# Altium PCB FPGA核心板.PcbDoc (part 1 of 3)
Units mil, origin at the board's own origin, x right, y up, seen from the top; angles counter-clockwise.
Board outline 3937.01 x 3937.01 mil, 4 copper layers (Top Layer, Layer 1, Layer 2, Bottom Layer), stack 23.756 mil thick; 164 components, 255 nets, 1024 pads, 373 vias.
Unrouted connection lines stored in the file: 1.
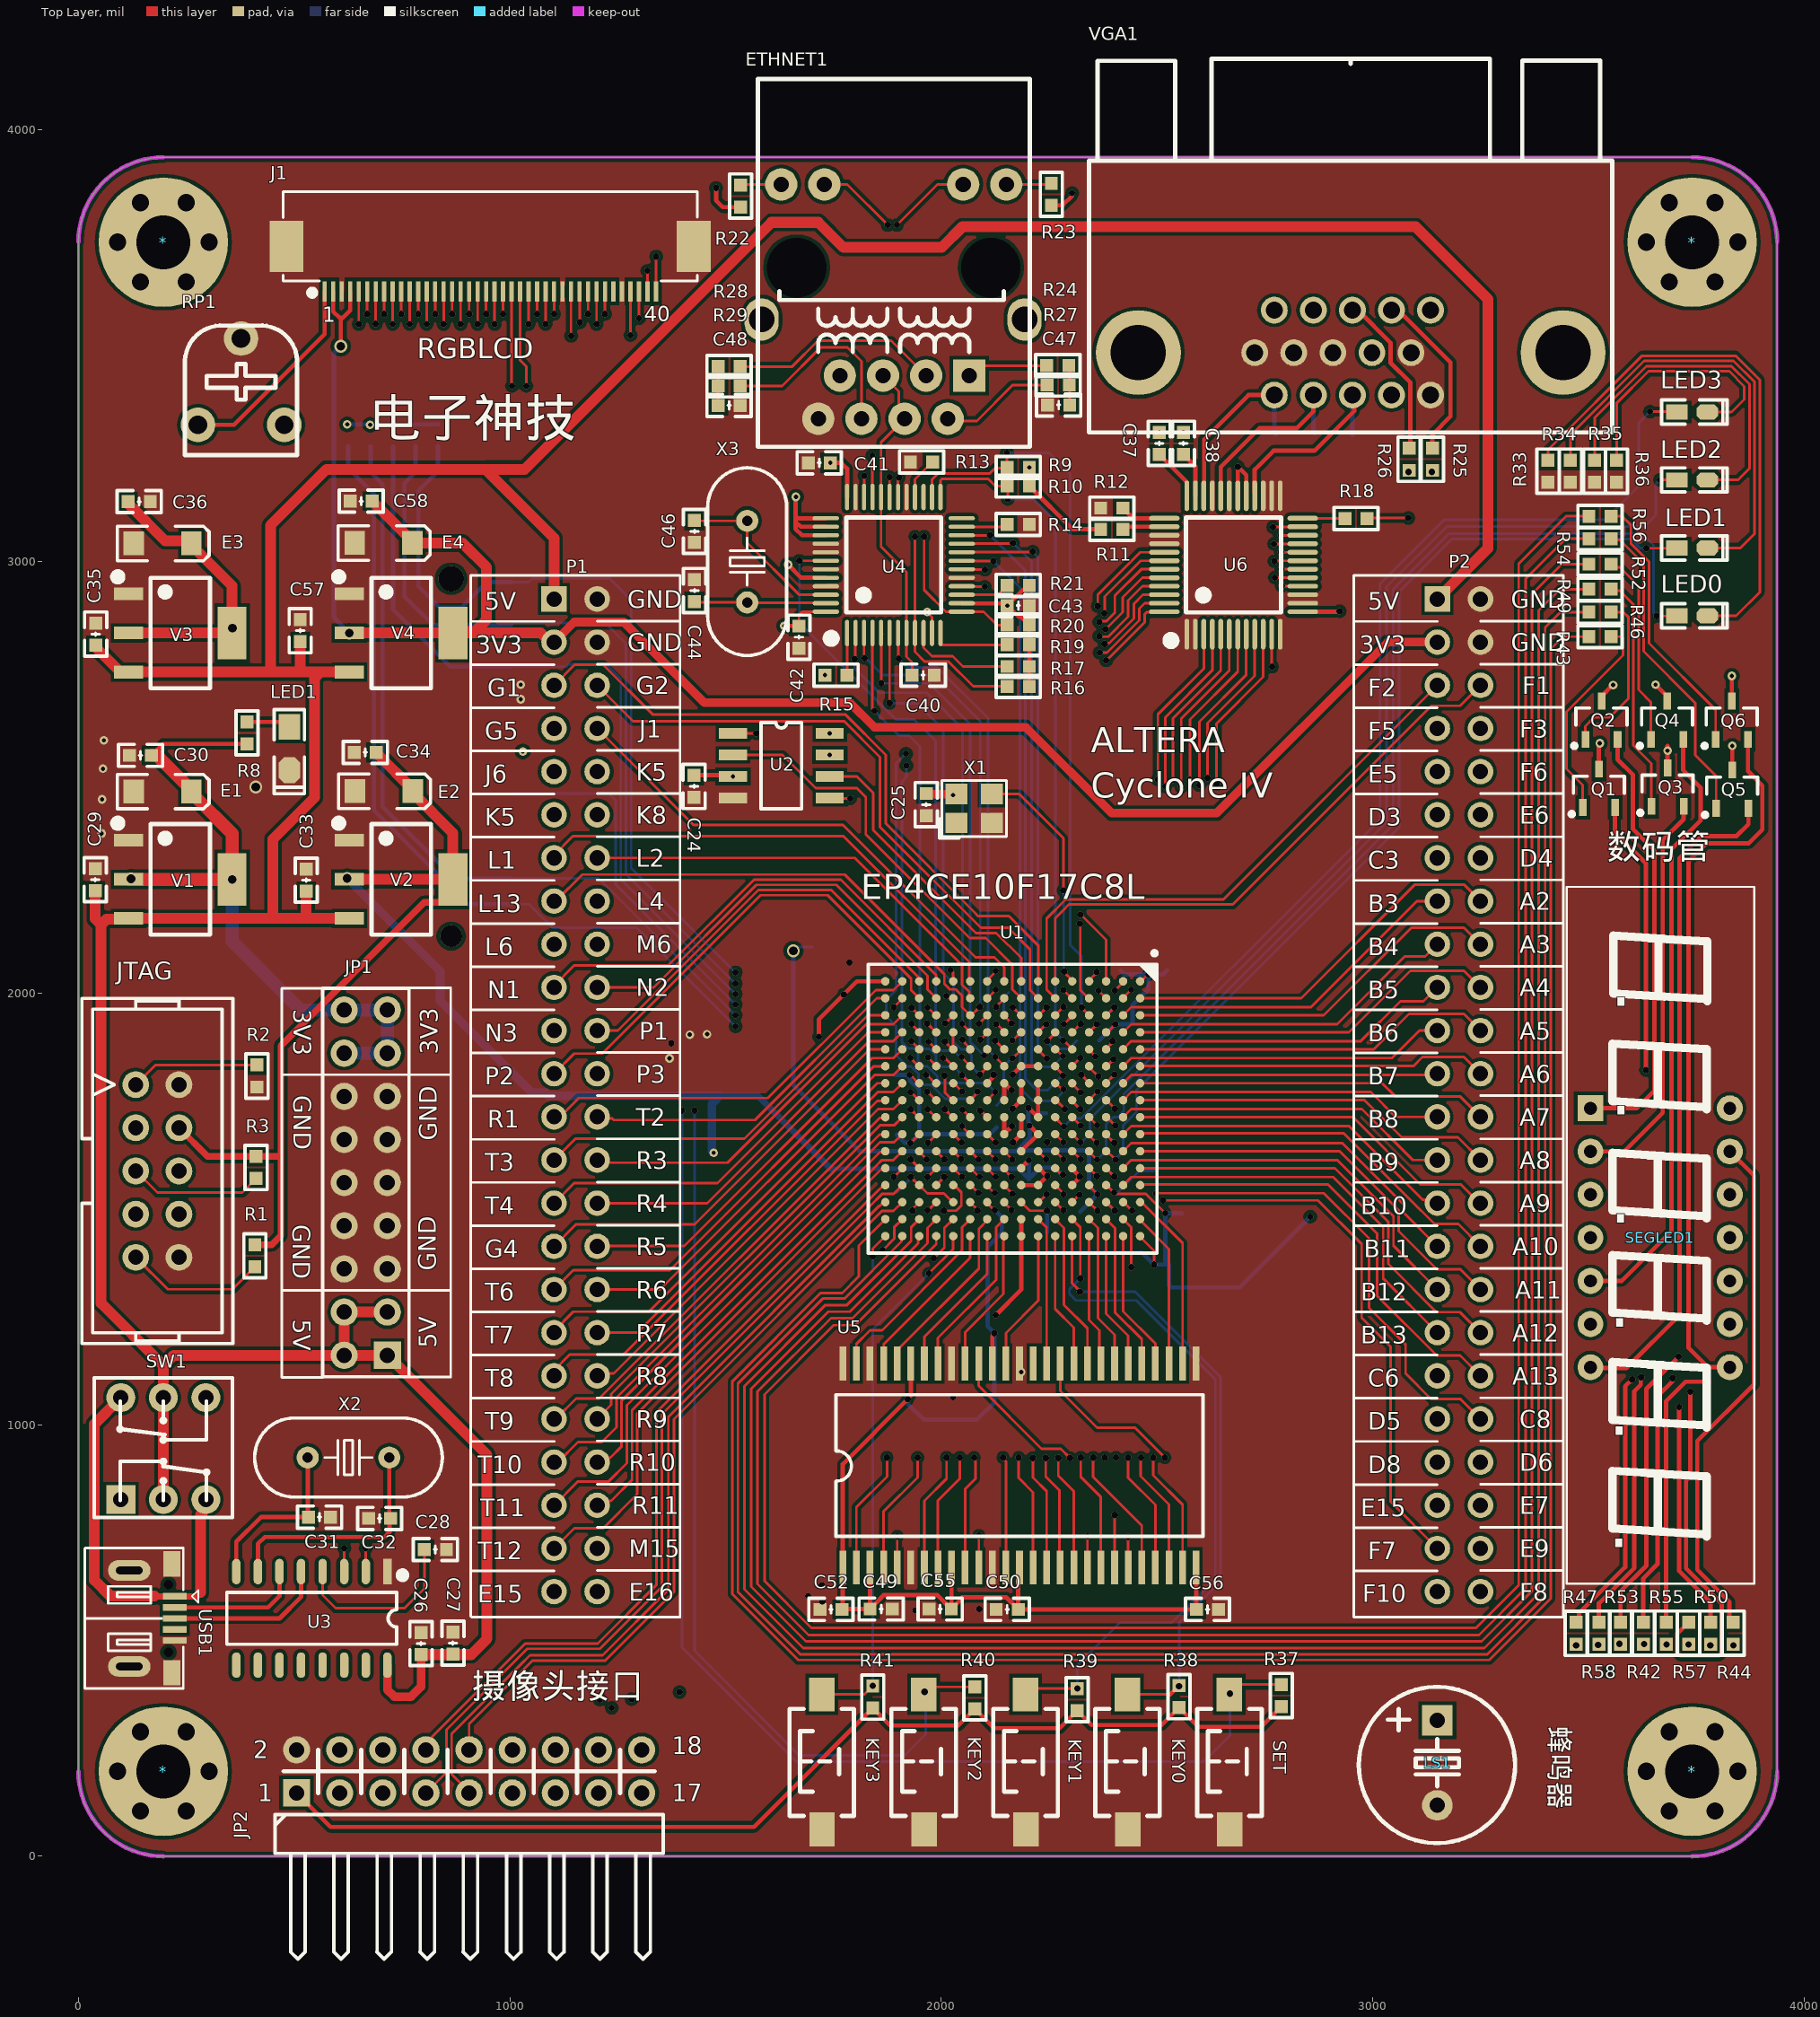
[diagram p0: Top Layer view]
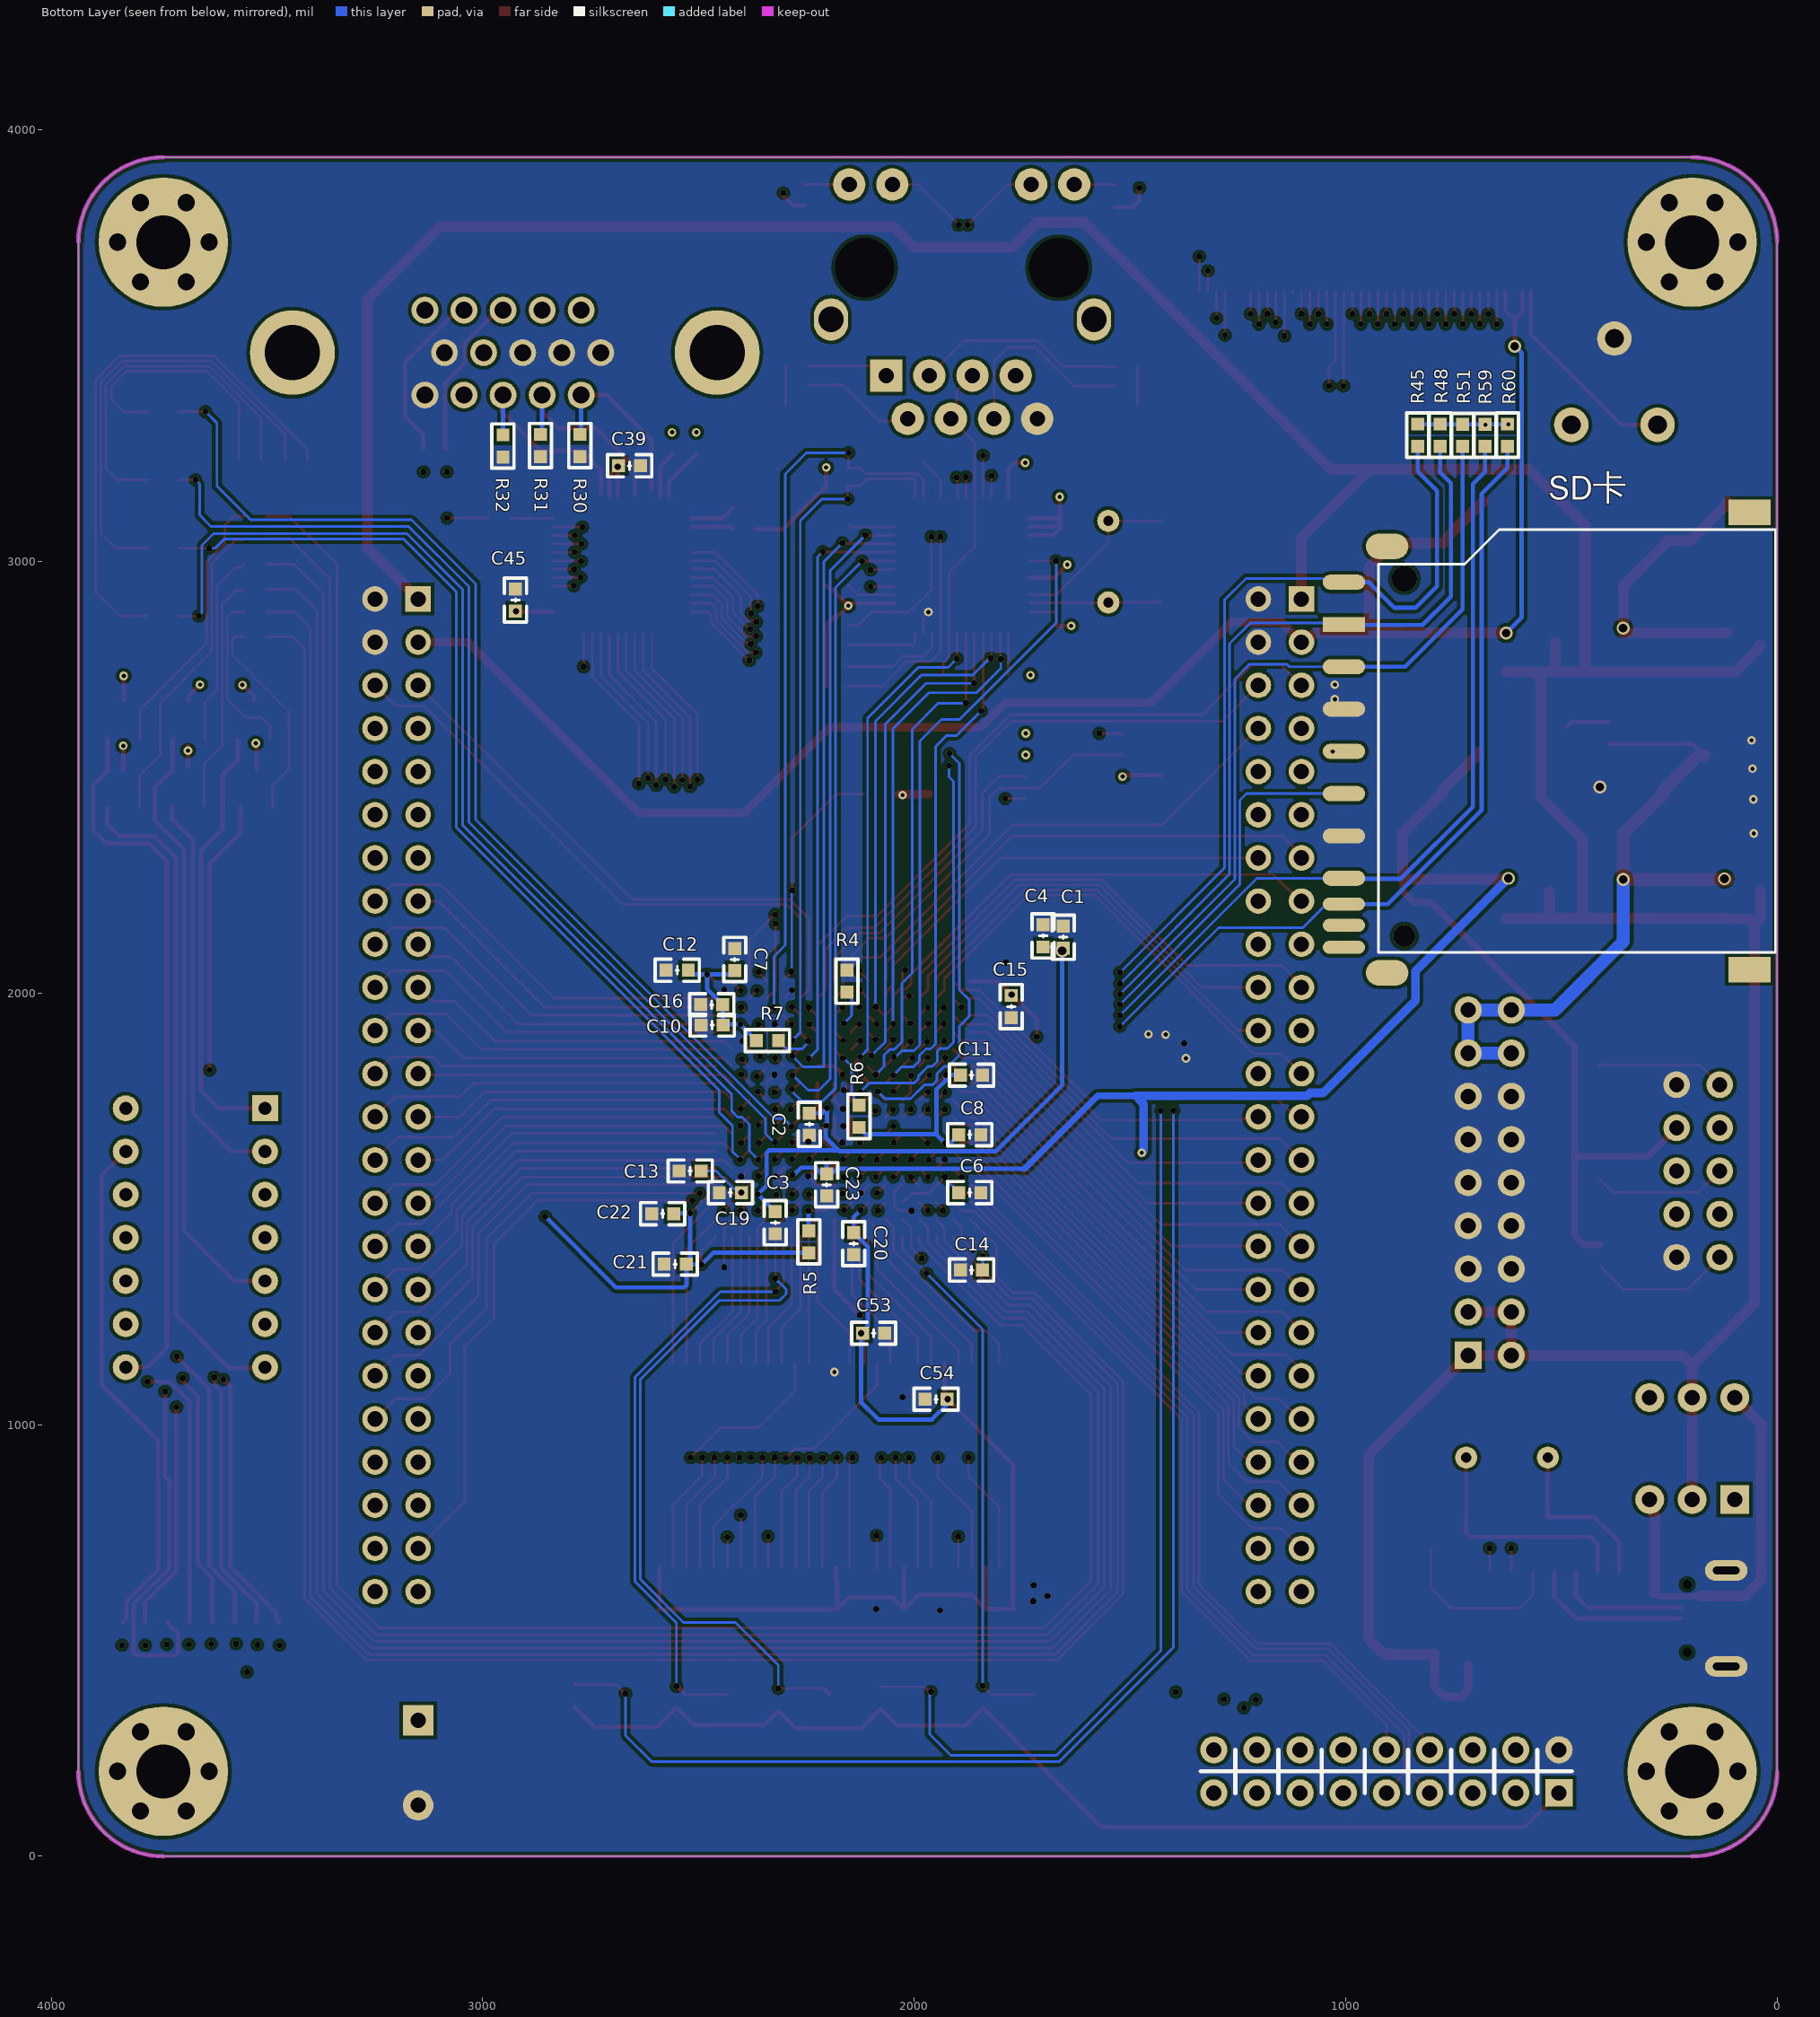
[diagram p1: Bottom Layer view, seen from below]
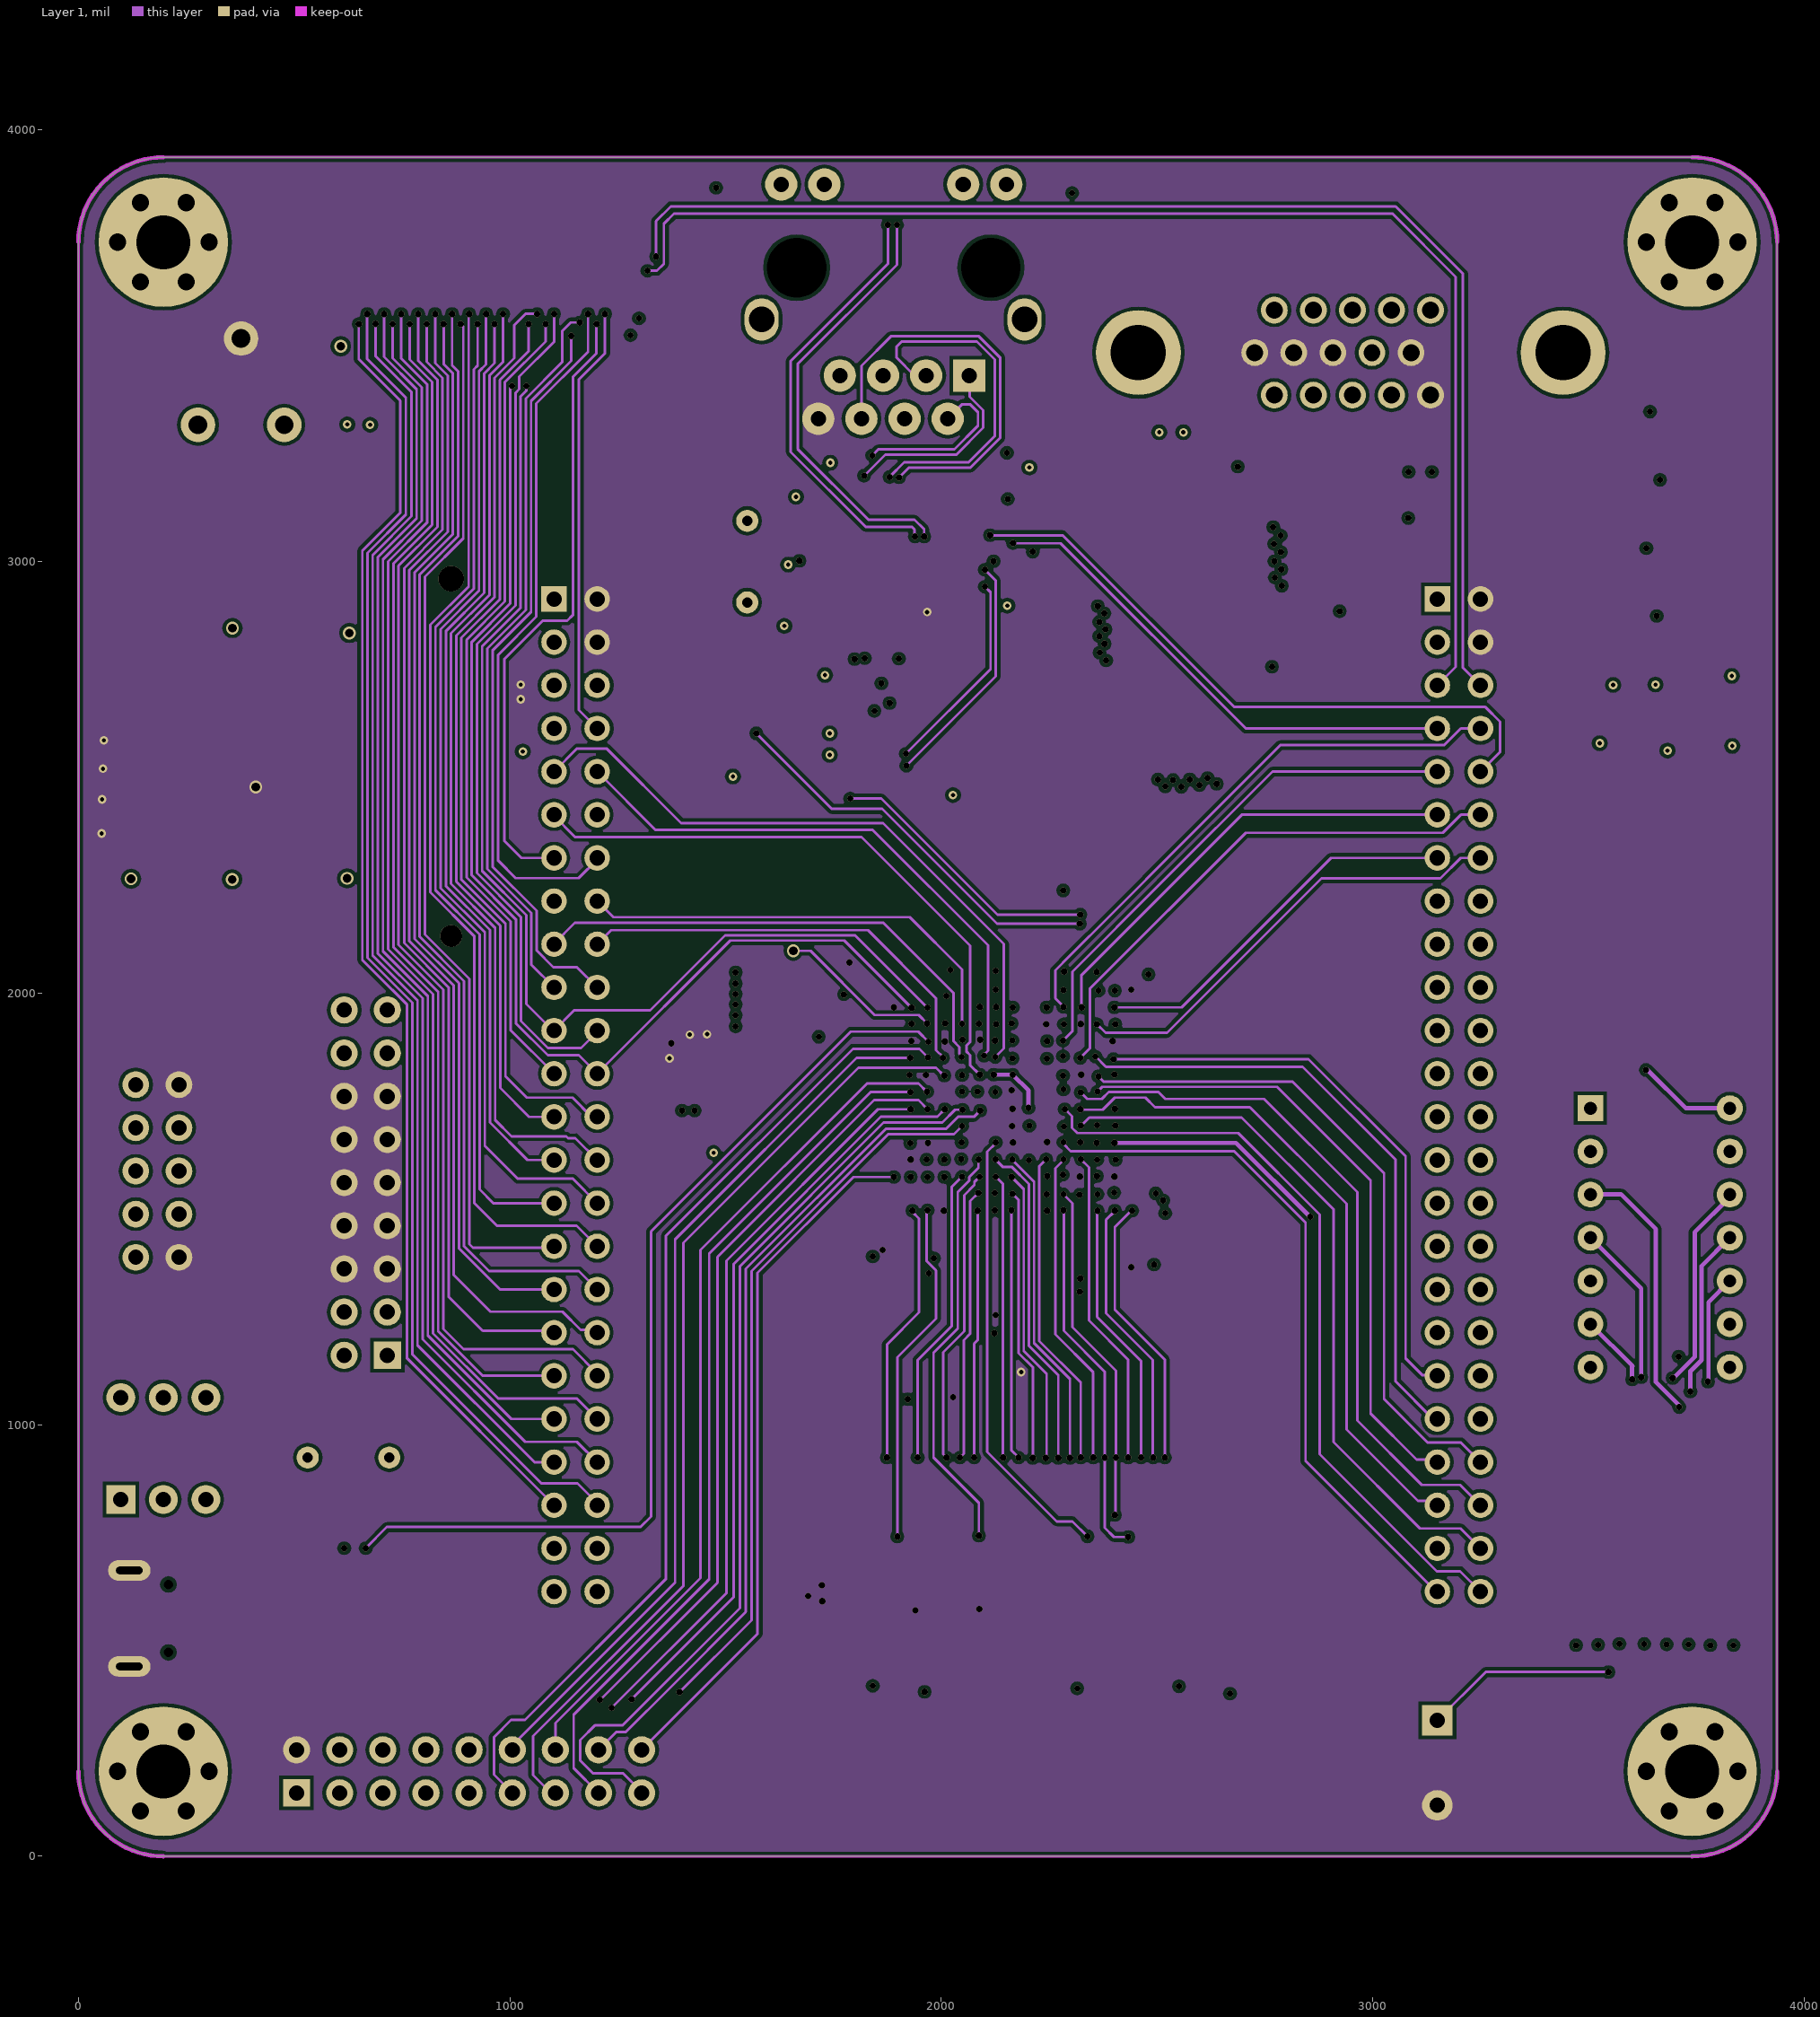
[diagram p2: Layer 1]
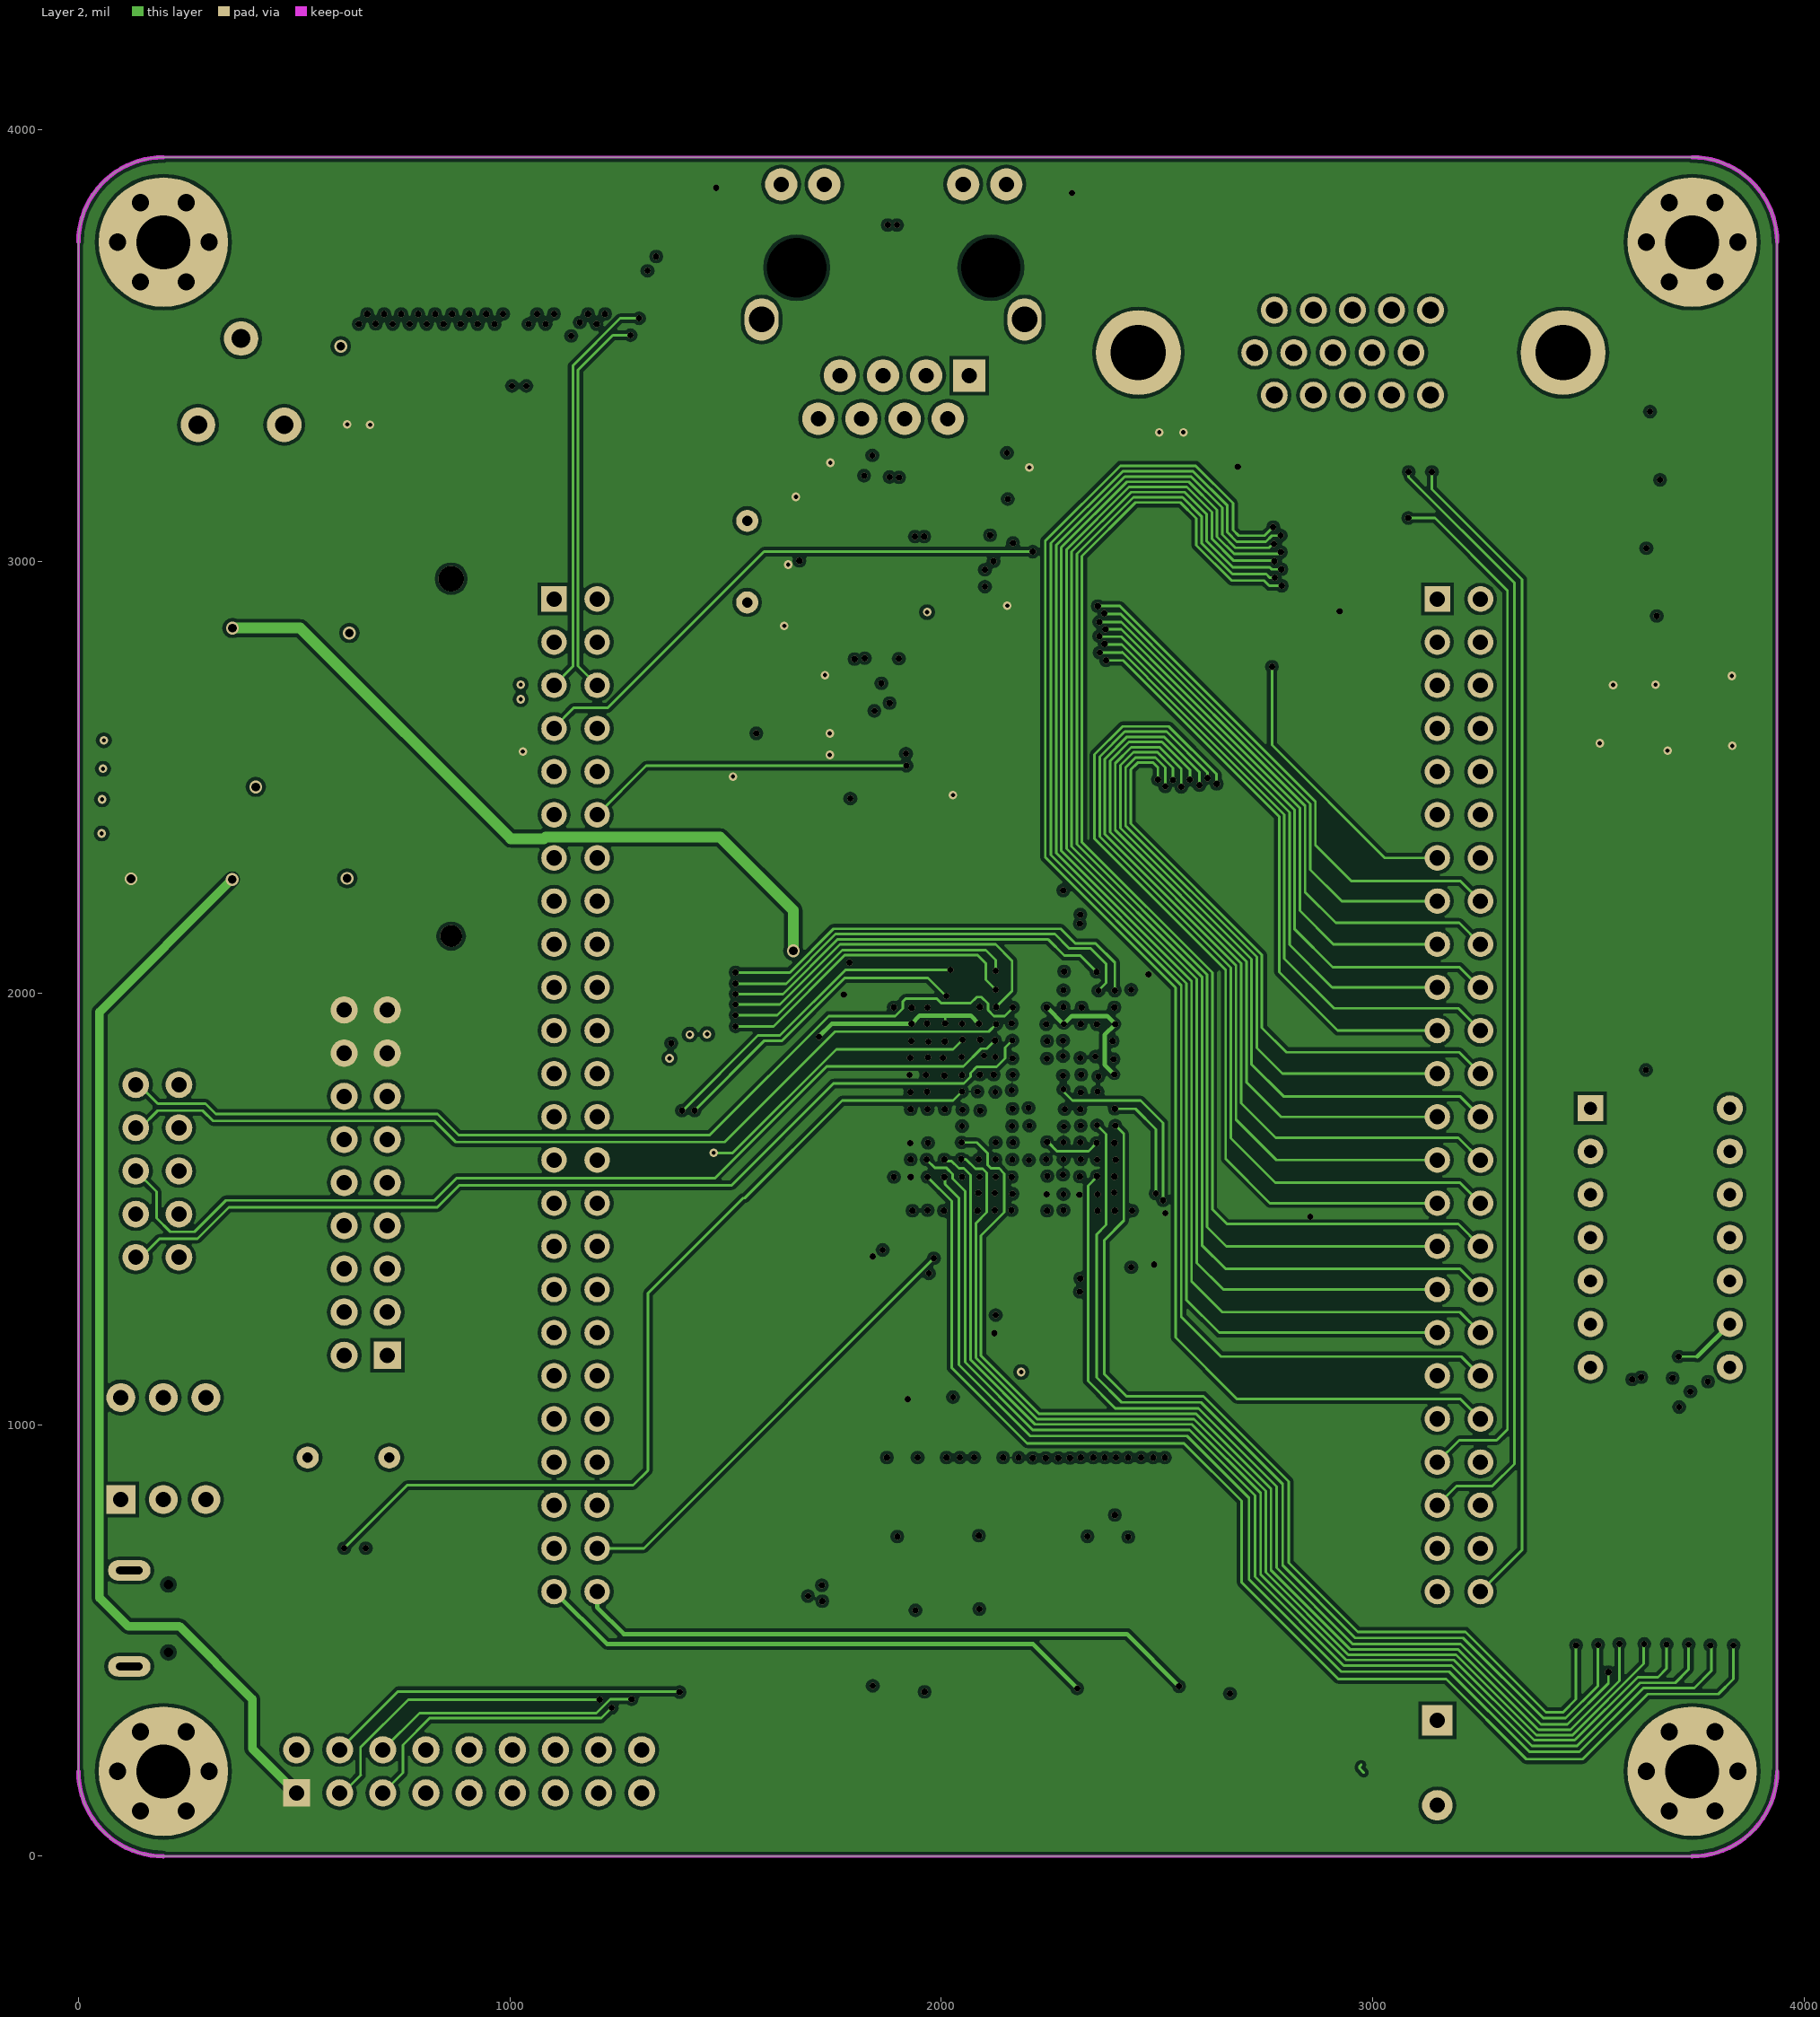
[diagram p3: Layer 2]

## Layer stack, top to bottom
Top Solder: solder mask 0.4, Solder Resist, Dk 3.5
Top Layer: signal copper 1.4
Dielectric 2: prepreg 2.8, PP-006, Dk 4.1
Layer 1: signal copper 1.378
Dielectric 1: dielectric 12.6, FR-4, Dk 4.8
Layer 2: signal copper 1.378
Dielectric 3: prepreg 2.8, PP-006, Dk 4.1
Bottom Layer: signal copper 1.4
Bottom Solder: solder mask 0.4, Solder Resist, Dk 3.5

## Board outline
0,196.85 ccw(c196.85,196.85) 196.85,0 3740.16,0 ccw(c3740.16,196.85) 3937.01,196.85 3937.01,3740.16 ccw(c3740.16,3740.16) 3740.16,3937.01 196.85,3937.01 ccw(c196.85,3740.16) 0,3740.16

## Design rules (kind name [scope] priority, off if disabled: settings)
Clearance [All] p1: gap=6 ignorepadtopadclearanceinfootprint=TRUE except(0: Arc-Hole Track-Hole SMDPad-Hole THPad-Hole Via-Hole Fill-Hole Poly-Hole Region-Hole Text-Hole; 8: Arc-Fill Arc-Poly Arc-Region Track-Fill Track-Poly Track-Region SMDPad-Fill SMDPad-Poly SMDPad-Region THPad-Fill THPad-Poly THPad-Region Via-Fill Via-Poly Via-Region Fill-Fill Fill-Poly Fill-Region Poly-Poly Poly-Region Region-Region)
PlaneClearance [All] p1: clearance=6
PlaneConnect [All] p1: planeconnectstyle=Direct reliefexpansion=6 reliefentries=4 reliefconductorwidth=6 reliefairgap=6
PolygonConnect [All] p1: connectstyle=Direct reliefconductorwidth=6 reliefentries=4 polygonreliefangle="90 Angle" airgapwidth=6
RoutingVias [All] p1: holewidth=6 width=10 viastyle="Through Hole" minholewidth=6 minwidth=10 maxholewidth=28 maxwidth=50
SolderMaskExpansion [All] p1: expansion=4 istentingtop=FALSE
Width [All] p1: maxlimit=30 minlimit=6 preferedwidth=10
28 further rules are at their usual default settings.

## Classes and differential pairs
component class FPGA核心板04: C57 C58 E4 J1 KEY0 KEY1 KEY2 KEY3 LED0 LED1 LED2 LED3 LS1 P1 P2 Q1 Q2 Q3 Q4 Q5 Q6 R33 R34 R35 R36 R37 R38 R39 R40 R41 R42 R43 R44 R45 R46 R47 R48 R49 R50 R51 R52 R53 R54 R55 R56 R57 R58 R59 R60 RP1 SD卡 SEGLED1 SET V4
component class FPGA核心板03: C37 C38 C39 C40 C41 C42 C43 C44 C45 C46 C47 C48 C49 C50 C52 C53 C54 C55 C56 ETHNET1 R9 R10 R11 R12 R13 R14 R15 R16 R17 R18 R19 R20 R21 R22 R23 R24 R25 R26 R27 R28 R29 R30 R31 R32 U4 U5 U6 VGA1 X3
component class FPGA核心板02: * C26 C27 C28 C29 C30 C31 C32 C33 C34 C35 C36 E1 E2 E3 JP1 JP2 LED1 R8 SW1 U3 USB1 V1 V2 V3 X2
component class FPGA核心板01: C1 C2 C3 C4 C6 C7 C8 C10 C11 C12 C13 C14 C15 C16 C19 C20 C21 C22 C23 C24 C25 JTAG R1 R2 R3 R4 R5 R6 R7 U1 U2 X1

## Components (designator, comment, footprint, x,y, rotation, side; value= is the part's Value field where it differs from the comment)
* "M3" "M3 125X300" 196.85,196.85 r0 top locked
* "M3" "M3 125X300" 3740.16,196.85 r0 top locked
* "M3" "M3 125X300" 3740.16,3740.16 r0 top locked
* "M3" "M3 125X300" 196.85,3740.16 r0 top locked
C1 "104" "C 0603_L" 1654.49,2129.59 r270 bottom
C2 "104" "C 0603_L" 2243,1696 r90 bottom
C3 "104" "C 0603_L" 2322,1468 r90 bottom
C4 "104" "C 0603_L" 1701,2132.59 r270 bottom
C6 "104" "C 0603_L" 1871,1538 r0 bottom
C7 "104" "C 0603_L" 2416,2078 r270 bottom
C8 "104" "C 0603_L" 1871,1672 r0 bottom
C10 "104" "C 0603_L" 2468,1926 r180 bottom
C11 "104" "C 0603_L" 1867,1810 r0 bottom
C12 "104" "C 0603_L" 2549,2053 r180 bottom
C13 "104" "C 0603_L" 2519,1588 r180 bottom
C14 "104" "C 0603_L" 1866.93,1358.34 r180 bottom
C15 "104" "C 0603_L" 1775,1969 r90 bottom
C16 "104" "C 0603_L" 2469,1973 r180 bottom
C19 "104" "C 0603_L" 2426,1538 r180 bottom
C20 "104" "C 0603_L" 2140,1419.41 r90 bottom
C21 "104" "C 0603_L" 2554,1372 r180 bottom
C22 "104" "C 0603_L" 2583,1489 r180 bottom
C23 "104" "C 0603_L" 2203,1556 r90 bottom
C24 "104" "C 0603_L" 1427,2479 r90 top
C25 "104" "C 0603_L" 1965,2437 r270 top
C26 "104" "C 0603_L" 794,493 r270 top
C27 "104" "C 0603_L" 868,494 r270 top
C28 "104" "C 0603_L" 827.41,711 r0 top
C29 "104" "C 0603_L" 39,2263 r90 top locked
C30 "104" "C 0603_L" 144,2551 r180 top locked
C31 "22p" "C 0603_L" 559,786 r180 top
C32 "22p" "C 0603_L" 698,783 r0 top
C33 "104" "C 0603_L" 528,2262 r90 top locked
C34 "104" "C 0603_L" 665,2558 r180 top locked
C35 "104" "C 0603_L" 40,2832 r270 top locked
C36 "104" "C 0603_L" 141,3139 r180 top locked
C37 "104" "C 0603_L" 2505,3274 r90 top
C38 "104" "C 0603_L" 2561,3274 r90 top
C39 "104" "C 0603_L" 2659.41,3222 r0 bottom
C40 "104" "C 0603_L" 1958,2737 r180 top
C41 "104" "C 0603_L" 1717,3229 r0 top
C42 "104" "C 0603_L" 1670,2825 r90 top
C43 "104" "C 0603_L" 2178.41,2898 r180 top
C44 "22" "C 0603_L" 1428,2933 r90 top
C45 "104" "C 0603_L" 2924,2911 r90 bottom
C46 "22" "C 0603_L" 1428,3070 r270 top
C47 "104" "C 0603_L" 2272,3363 r180 top
C48 "104" "C 0603_L" 1508,3362 r0 top
C49 "10uF" "C 0603_L" 1860.41,573 r180 top
C50 "104" "C 0603_L" 2152.59,572 r0 top
C52 "104" "C 0603_L" 1744,572 r0 top
C53 "104" "C 0603_L" 2094,1212 r0 bottom
C54 "104" "C 0603_L" 1949,1059 r180 bottom
C55 "104" "C 0603_L" 1997.41,573 r0 top
C56 "104" "C 0603_L" 2617,571.99 r180 top
C57 "104" "C 0603_L" 514,2840 r90 top locked
C58 "104" "C 0603_L" 655.41,3140 r180 top locked
E1 "10uF/6.3V" "CD A(3216)" 195,2467 r180 top locked
E2 "10uF/6.3V" "CD A(3216)" 708,2468 r180 top locked
E3 "10uF/6.3V" "CD A(3216)" 195,3042 r180 top locked
E4 "10uF/6.3V" "CD A(3216)" 707.07,3043 r180 top locked
ETHNET1 "RJ45" RJ-45A12 1889.76,3681.1 r180 top locked
J1 "RGBLCD" FPC-TOP40 570.87,3622.05 r0 top locked
JP1 "Header 9X2" HDR2.54-LI-2x9P 666,1561 r90 top
JP2 "Header 9X2" HDR2.54-WI-2x9P 905.51,196.85 r0 top locked